# Altium PCB S6.PcbDoc (part 6 of 14)
Units mil, origin at the board's own origin, x right, y up, seen from the top; angles counter-clockwise.
Board outline 5250 x 2929.55 mil, 6 copper layers (Top Layer, Mid-Layer 2, Mid-Layer 4, Mid-Layer 3, Mid-Layer 1, Bottom Layer); 345 components, 365 nets, 2233 pads, 960 vias.
Unrouted connection lines stored in the file: 1.
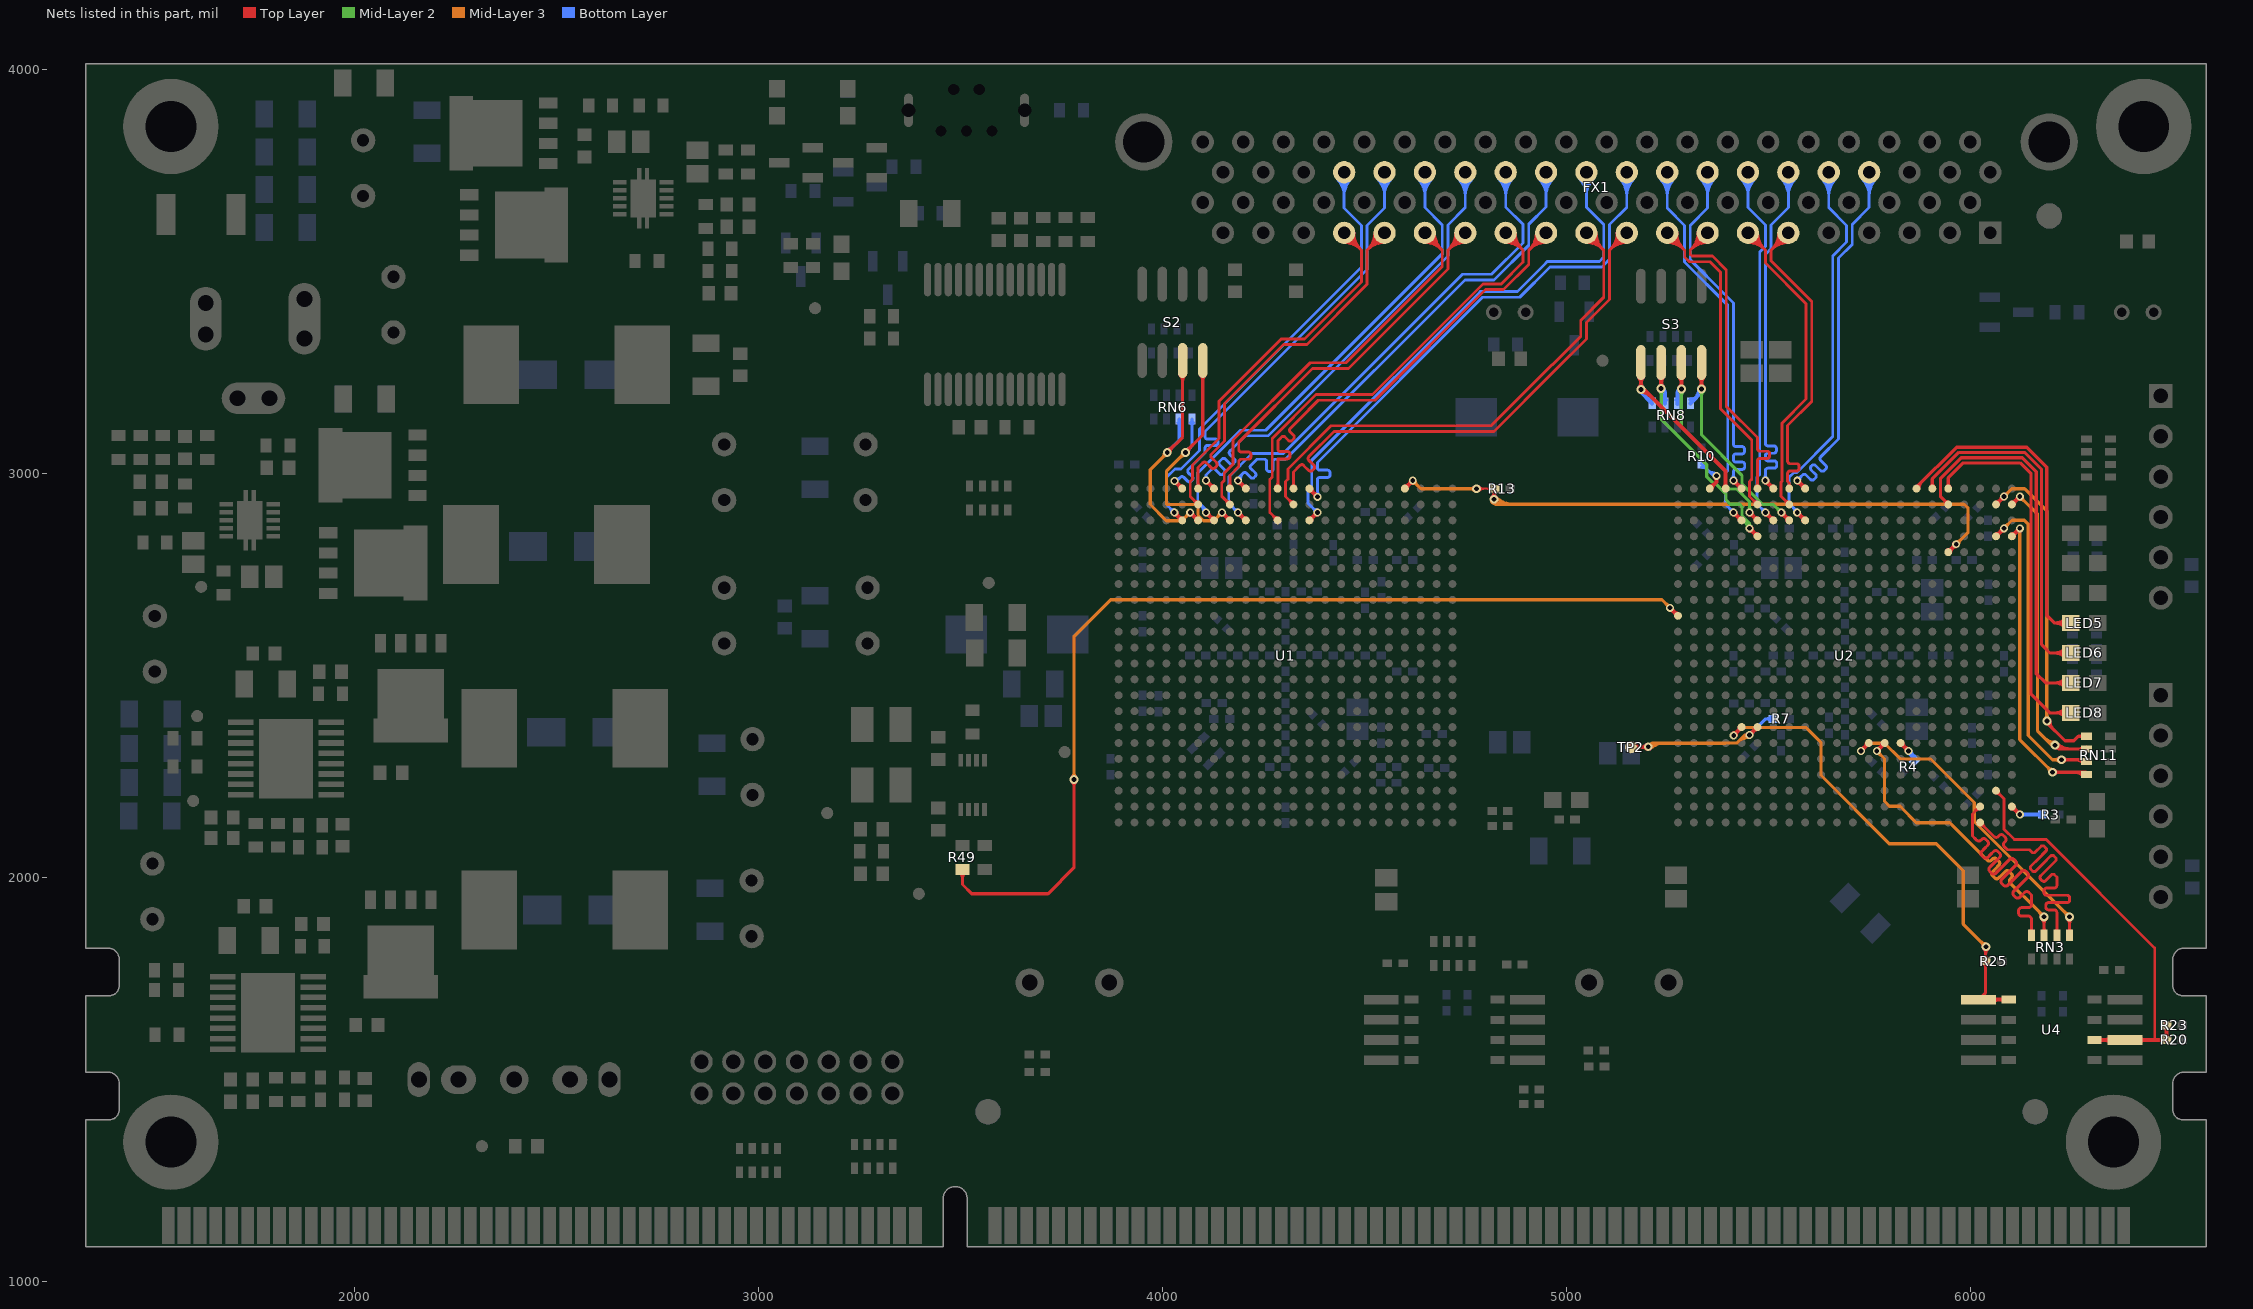
[diagram p10: the nets of this part, all layers, seen from the top]

## Via types
v1: diameter 19.68, hole 11.81, Top Layer to Bottom Layer, tented both sides, 469 vias
v2: diameter 32, hole 18, Top Layer to Bottom Layer, tented both sides, 257 vias
v3: diameter 22, hole 12, Top Layer to Bottom Layer, tented both sides, 185 vias
v4: diameter 25.59, hole 12.99, Top Layer to Bottom Layer, tented bottom, 16 vias
v5: diameter 50, hole 28, Top Layer to Bottom Layer, tented both sides, 15 vias
v6: diameter 23.62, hole 11.81, Top Layer to Bottom Layer, tented bottom, 10 vias
v7: diameter 20, hole 12, Top Layer to Bottom Layer, tented both sides, 5 vias
v8: diameter 21.65, hole 11.81, Top Layer to Bottom Layer, tented both sides, 2 vias
v9: diameter 39.37, hole 39.37, Top Layer to Bottom Layer, 1 vias

## Nets (pads, with @x,y where several pads share a name; then routed paths per layer and width w, separated by ;. In a path a pad name is that pad's centre, name@x,y a point inside that pad or via, vN(x,y) a via of type N, cw(c..) or ccw(c..) an arc to the next point about the centre after c; other vN are vias at no path point) (continued)
FPGA1_SW3: RN6.6 S2.3 U1.C6 | length 822.6
  Top Layer w8: v3(4012,3053) 4050,3091 S2.3@4050,3280.51 ; v3@4012,3060 ccw(c4012,3076.9) 4023.95,3064.95 ccw(c4035.9,3053) v3@4019,3053 ; S2.3@4044.48,3243.49 cw(c4031.14,3230.16) 4050,3230.16 cw(c4068.86,3230.16) S2.3@4055.52,3243.49
  Top Layer w10: v1@4068.78,2899.49 cw(c4068.78,2887.8) 4077.05,2896.07 cw(c4085.31,2904.33) v1@4073.62,2904.33 ; v1(4068.78,2904.33) U1.C6@4088.46,2884.65 ; U1.C6@4083.62,2884.65 ccw(c4071.93,2884.65) 4080.2,2892.91 ccw(c4088.46,2901.18) U1.C6@4088.46,2889.49
  Mid-Layer 3 w8: 3999.34,3039.34 ccw(c3985.69,3053) v3@4005,3053 ; 4001.76,3041.76 cw(c4012,3031.51) v3@4012,3046 ; v3(4012,3053) 4012,3052 3970,3010 3970,2924 4010,2884 4048.45,2884 v1(4068.78,2904.33) ; v1@4062.94,2904.33 cw(c4048.83,2904.33) 4058.8,2894.36 cw(c4068.78,2884.38) v1@4068.78,2898.49
  Bottom Layer w8: v3(4012,3053) 4041.75,3082.75 RN6.6@4041.75,3135.47 ; v3@4012,3060 ccw(c4012,3076.9) 4023.95,3064.95 ccw(c4035.9,3053) v3@4019,3053 ; RN6.6@4038.31,3127.12 cw(c4030.02,3118.82) 4041.75,3118.82 cw(c4053.48,3118.82) RN6.6@4045.18,3127.12
FPGA1_SW4: RN6.5 S2.4 U1.C8 | length 875.2
  Top Layer w8: v3(4057,3053) 4100,3096 S2.4@4100,3280.51 ; v3@4057,3060 ccw(c4057,3076.9) 4068.95,3064.95 ccw(c4080.9,3053) v3@4064,3053 ; S2.4@4094.48,3243.49 cw(c4081.14,3230.16) 4100,3230.16 cw(c4118.86,3230.16) S2.4@4105.52,3243.49
  Top Layer w10: v1@4147.52,2899.49 cw(c4147.52,2887.8) 4155.79,2896.07 cw(c4164.05,2904.33) v1@4152.36,2904.33 ; v1(4147.52,2904.33) U1.C8@4167.2,2884.65 ; U1.C8@4162.36,2884.65 ccw(c4150.67,2884.65) 4158.94,2892.91 ccw(c4167.2,2901.18) U1.C8@4167.2,2889.49
  Mid-Layer 3 w8: v3@4050,3053 cw(c4033.1,3053) 4045.05,3041.05 cw(c4057,3029.1) v3@4057,3046 ; v3(4057,3053) 4010,3006 4010,2924 4088,2924 4088,2897.83 4101.83,2884 4127.19,2884 v1(4147.52,2904.33) ; v1@4141.68,2904.33 cw(c4127.57,2904.33) 4137.55,2894.36 cw(c4147.52,2884.38) v1@4147.52,2898.49
  Bottom Layer w8: v3(4057,3053) 4073.24,3069.24 RN6.5@4073.24,3135.47 ; v3@4057,3060 ccw(c4057,3076.9) 4068.95,3064.95 ccw(c4080.9,3053) v3@4064,3053 ; RN6.5@4069.81,3127.12 cw(c4061.52,3118.82) 4073.24,3118.82 cw(c4084.97,3118.82) RN6.5@4076.68,3127.12
FPGA1_TDO: R13.2 U1.A19 U2.E18 | length 1923.9
  Top Layer w5: v3(4778,2963) R13.2@4819.31,2963 ; v3@4784.01,2956.99 cw(c4798.52,2942.48) 4798.52,2963 cw(c4798.52,2983.52) v3@4784.01,2969.01 ; R13.2@4815.15,2957.81 ccw(c4802.62,2945.27) 4802.62,2963 ccw(c4802.62,2980.73) R13.2@4815.15,2968.19
  Top Layer w8: v3@4816.05,2941.95 ccw(c4800.93,2957.07) R13.2@4822.31,2957.07 ; R13.2@4818.18,2958.87 cw(c4808.21,2948.89) 4822.31,2948.89 cw(c4836.42,2948.89) R13.2@4826.45,2958.87 ; v3@4822,2937 4822.31,2937.31 R13.2@4822.31,2963 ; 4822.31,2950.72 ccw(c4834.73,2950.72) v3@4825.95,2941.95
  Top Layer w10: U1.A19@4600.28,2963.39 v1(4619.96,2983.07) ; U1.A19@4600.28,2968.23 ccw(c4600.28,2979.92) 4608.54,2971.65 ccw(c4616.81,2963.39) U1.A19@4605.12,2963.39 ; v1@4615.12,2983.07 cw(c4603.43,2983.07) 4611.69,2974.81 cw(c4619.96,2966.54) v1@4619.96,2978.23 ; U2.E18@5945.91,2805.91 v1(5965.59,2825.59) ; U2.E18@5945.91,2810.75 ccw(c5945.91,2822.44) 5954.17,2814.17 ccw(c5962.44,2805.91) U2.E18@5950.75,2805.91 ; v1@5960.75,2825.59 cw(c5949.06,2825.59) 5957.32,2817.32 cw(c5965.59,2809.06) v1@5965.59,2820.75
  Mid-Layer 3 w8: v1@4619.96,2977.23 cw(c4619.96,2963.12) 4629.94,2973.1 cw(c4639.91,2983.07) v1@4625.8,2983.07 ; v1(4619.96,2983.07) 4640.03,2963 v3(4778,2963) ; v3@4773.05,2958.05 ccw(c4761.1,2946.1) 4761.1,2963 ccw(c4761.1,2979.9) v3@4773.05,2967.95 ; v3@4814.64,2930.64 ccw(c4828.58,2944.58) 4828.58,2924.86 ; v3@4820.29,2936.29 ccw(c4847.9,2963.9) 4847.9,2924.86 ; v3(4821,2937) 4821,2929 4825.14,2924.86 5985.14,2924.86 5995,2915 5995,2855 v1(5965.59,2825.59) ; v3@4825.95,2941.95 ccw(c4867.21,2983.21) 4867.21,2924.86 ; v1@5965.59,2831.43 ccw(c5965.59,2845.54) 5975.57,2835.57 ccw(c5985.54,2825.59) v1@5971.43,2825.59
FPGA2_B1_1: RN11.5 U2.B21 | length 936.1
  Top Layer w8: v3(6190,2388) 6190,2384 6235,2339 6257,2339 6268.24,2350.24 RN11.5@6288.47,2350.24 RN11.5@6289,2350.77 ; v3@6197,2388 ccw(c6223.56,2388) 6204.78,2369.22 ; RN11.5@6280.12,2346.81 ccw(c6271.82,2338.52) 6271.82,2350.24 ccw(c6271.82,2361.97) RN11.5@6280.12,2353.68
  Top Layer w10: U2.B21@6064.02,2924.02 v1(6083.7,2943.7) ; U2.B21@6064.02,2928.86 ccw(c6064.02,2940.55) 6072.28,2932.28 ccw(c6080.55,2924.02) U2.B21@6068.86,2924.02 ; v1@6078.86,2943.7 cw(c6067.17,2943.7) 6075.44,2935.44 cw(c6083.7,2927.17) v1@6083.7,2938.86
  Mid-Layer 3 w8: v1(6083.7,2943.7) 6103,2963 6135,2963 6190,2908 v3(6190,2388) ; v1@6083.7,2949.54 ccw(c6083.7,2963.65) 6093.68,2953.68 ccw(c6103.65,2943.7) v1@6089.54,2943.7 ; v3@6185.05,2392.95 ccw(c6173.1,2404.9) 6190,2404.9 ccw(c6206.9,2404.9) v3@6194.95,2392.95
FPGA2_B1_2: RN11.6 U2.B22 | length 964.1
  Top Layer w8: v3@6209.29,2327.29 ccw(c6229.92,2347.92) 6229.92,2318.75 ; v3(6210,2328) 6219.25,2318.75 ; v3@6211.37,2321.14 cw(c6213.08,2312.58) 6219.25,2318.75 ; v3@6214.95,2332.95 ccw(c6249.24,2367.24) 6249.24,2318.75 ; v3@6216.86,2326.63 ccw(c6225.42,2324.92) 6219.25,2318.75 ; RN11.6@6280.12,2315.31 ccw(c6271.82,2307.02) 6271.82,2318.75 ccw(c6271.82,2330.48) RN11.6@6280.12,2322.18 ; RN11.6@6288.22,2323 RN11.6@6288.47,2322.75 ; RN11.6@6288.47,2318.75 6219.25,2318.75
  Top Layer w10: U2.B22@6103.39,2924.02 v1(6123.07,2943.7) ; U2.B22@6103.39,2928.86 ccw(c6103.39,2940.55) 6111.65,2932.28 ccw(c6119.92,2924.02) U2.B22@6108.23,2924.02 ; v1@6118.23,2943.7 cw(c6106.54,2943.7) 6114.81,2935.44 cw(c6123.07,2927.17) v1@6123.07,2938.86
  Mid-Layer 3 w8: v1@6123.07,2937.86 cw(c6123.07,2923.75) 6133.05,2933.73 cw(c6143.02,2943.7) v1@6128.91,2943.7 ; v1(6123.07,2943.7) 6167,2899.77 6167,2363 6202,2328 v3(6210,2328) ; 6184.39,2345.61 ccw(c6210,2371.21) v3@6210,2335 ; 6198.05,2331.95 ccw(c6210,2343.9) v3@6210,2327
FPGA2_B1_3: RN11.7 U2.D21 | length 927.1
  Top Layer w8: v3(6226,2292) 6287.72,2292 RN11.7@6288.47,2291.25 ; v3@6230.95,2287.05 cw(c6242.9,2275.1) 6242.9,2292 cw(c6242.9,2308.9) v3@6230.95,2296.95 ; 6260.36,2292 cw(c6260.36,2264.06) RN11.7@6280.12,2283.82
  Top Layer w10: U2.D21@6064.02,2845.28 v1(6083.7,2864.96) ; U2.D21@6064.02,2850.12 ccw(c6064.02,2861.81) 6072.28,2853.54 ccw(c6080.55,2845.28) U2.D21@6068.86,2845.28 ; v1@6078.86,2864.96 cw(c6067.17,2864.96) 6075.44,2856.7 cw(c6083.7,2848.43) v1@6083.7,2860.12
  Mid-Layer 3 w8: v1(6083.7,2864.96) 6103.74,2885 6134,2885 6144,2875 6144,2352 6204,2292 v3(6226,2292) ; v1@6083.7,2870.8 ccw(c6083.7,2884.91) 6093.68,2874.94 ccw(c6103.65,2864.96) v1@6089.54,2864.96 ; v3@6221.05,2287.05 ccw(c6209.1,2275.1) 6209.1,2292 ccw(c6209.1,2308.9) v3@6221.05,2296.95
FPGA2_B1_4: RN11.8 U2.D22 | length 885.6
  Top Layer w8: v3(6204,2261) 6287.23,2261 RN11.8@6288.47,2259.76 ; v3@6208.95,2256.05 cw(c6220.9,2244.1) 6220.9,2261 cw(c6220.9,2277.9) v3@6208.95,2265.95 ; 6259.16,2261 cw(c6259.16,2231.37) RN11.8@6280.12,2252.32
  Top Layer w10: U2.D22@6103.39,2845.28 v1(6123.07,2864.96) ; U2.D22@6103.39,2850.12 ccw(c6103.39,2861.81) 6111.65,2853.54 ccw(c6119.92,2845.28) U2.D22@6108.23,2845.28 ; v1@6118.23,2864.96 cw(c6106.54,2864.96) 6114.81,2856.7 cw(c6123.07,2848.43) v1@6123.07,2860.12
  Mid-Layer 3 w8: v1@6118.94,2860.83 cw(c6108.97,2850.86) 6123.07,2850.86 cw(c6137.18,2850.86) v1@6127.2,2860.83 ; v1(6123.07,2864.96) 6123.07,2341.93 v3(6204,2261) ; v3@6197,2261 ccw(c6180.1,2261) 6192.05,2272.95 ccw(c6204,2284.9) v3@6204,2268
FPGA2_CLK: R49.1 U2.J1 | length 2621.3
  Top Layer w8: R49.1@3498.08,2013.56 cw(c3481.39,1996.86) 3505,1996.86 cw(c3528.61,1996.86) R49.1@3511.92,2013.56 ; R49.1@3505,2020.47 3505,1983 3528,1960 3717,1960 3781,2024 v3(3781,2243) ; v3@3776.05,2238.05 cw(c3764.1,2226.1) 3781,2226.1 cw(c3797.9,2226.1) v3@3785.95,2238.05
  Top Layer w10: v1@5256.93,2663.27 cw(c5256.93,2651.58) 5265.19,2659.84 cw(c5273.46,2668.11) v1@5261.77,2668.11 ; v1(5256.93,2668.11) U2.J1@5276.61,2648.43 ; U2.J1@5271.77,2648.43 ccw(c5260.08,2648.43) 5268.35,2656.69 ccw(c5276.61,2664.96) U2.J1@5276.61,2653.27
  Mid-Layer 3 w8: v3@3776.05,2247.95 ccw(c3764.1,2259.9) 3781,2259.9 ccw(c3797.9,2259.9) v3@3785.95,2247.95 ; v3(3781,2243) 3781,2597 3872,2688 5237.04,2688 v1(5256.93,2668.11) ; v1@5251.09,2668.11 ccw(c5236.98,2668.11) 5246.95,2678.09 ccw(c5256.93,2688.06) v1@5256.93,2673.95
FPGA2_CS: R25.2 U2.T5 U4.1 | length 1348.6
  Top Layer w8: U4.1@6020.9,1698 6038.31,1715.42 R25.2@6038.31,1793 6038.31,1828.31 v3(6039,1829) ; v3@6034.05,1824.05 cw(c6023.75,1813.75) 6038.31,1813.75 ; R25.2@6034.18,1788.87 cw(c6024.21,1778.89) 6038.31,1778.89 cw(c6052.42,1778.89) R25.2@6042.45,1788.87 ; R25.2@6034.18,1797.13 ccw(c6024.21,1807.1) 6038.31,1807.1 ccw(c6052.42,1807.1) R25.2@6042.45,1797.13 ; 6038.31,1810.45 cw(c6057.55,1810.45) v3@6043.95,1824.05
  Top Layer w10: v1(5414.46,2352.02) 5414.46,2352.46 U2.T5@5434,2372 ; v1@5414.46,2356.86 ccw(c5414.46,2367.47) 5421.96,2359.97 ; v1@5419.31,2352.02 cw(c5432.08,2352.02) 5423.05,2361.05 ; 5425.3,2363.3 ccw(c5415.77,2372.83) U2.T5@5429.25,2372.83 ; 5427.09,2365.09 cw(c5434.09,2358.09) U2.T5@5434.09,2367.99 ; U4.1@6057.21,1693.18 cw(c6068.84,1681.56) 6068.84,1698 cw(c6068.84,1714.44) U4.1@6057.21,1702.82 ; U4.1@6084.57,1694.58 ccw(c6076.31,1686.31) 6076.31,1698 ccw(c6076.31,1709.69) U4.1@6084.57,1701.42
  Mid-Layer 3 w8: v1@5414.46,2357.86 ccw(c5414.46,2370.88) 5423.67,2361.67 ; v1@5415,2353 5434,2372 5593,2372 5631,2334 5631,2253 5800,2084 5916,2084 5983,2017 5983,1885 v3(6039,1829) ; v1@5420.31,2352.02 cw(c5435.5,2352.02) 5424.76,2362.76 ; v3@6032,1829 ccw(c6015.1,1829) 6027.05,1840.95 ccw(c6039,1852.9) v3@6039,1836
FPGA2_DQ1: RN3.8 U2.AA20 | length 848.4
  Top Layer w7: 6012.69,2164.69 cw(c6024.65,2152.73) U2.AA20@6024.65,2169.64 ; 6014.29,2166.29 ccw(c6004.59,2175.98) U2.AA20@6018.3,2175.98 ; U2.AA20@6024.65,2175.98 6023.98,2175.98 6006,2158 6006,2103 6014,2095 6016.23,2092.77 ccw(c6021.42,2097.97) 6026.62,2092.77 6028.54,2094.69 cw(c6033.74,2089.49) 6038.93,2094.69 6043.39,2090.24 cw(c6038.19,2085.04) 6043.39,2079.84 6036.27,2072.73 6028.66,2065.11 ccw(c6033.85,2059.91) 6028.66,2054.71 6033.11,2050.26 ccw(c6038.31,2055.46) 6043.51,2050.26 6051.12,2057.88 6058.24,2064.99 cw(c6063.44,2059.8) 6068.63,2064.99 6073.09,2060.54 cw(c6067.89,2055.34) 6073.09,2050.14 6065.97,2043.03 6048.74,2025.8 ccw(c6053.94,2020.6) 6048.74,2015.41 6053.2,2010.95 ccw(c6058.4,2016.15) 6063.59,2010.95 6080.82,2028.18 6098.05,2045.41 cw(c6103.25,2040.21) 6108.44,2045.41 6112.9,2040.95 cw(c6107.7,2035.75) 6112.9,2030.56 6095.67,2013.33 6078.44,1996.1 ccw(c6083.64,1990.9) 6078.44,1985.71 6082.9,1981.25 ccw(c6088.1,1986.45) 6093.29,1981.25 6110.52,1998.48 6127.75,2015.71 cw(c6132.94,2010.51) 6138.14,2015.71 6142.6,2011.25 cw(c6137.4,2006.06) 6142.6,2000.86 6125.37,1983.63 6108.14,1966.4 ccw(c6113.34,1961.21) 6108.14,1956.01 6112.6,1951.55 ccw(c6117.79,1956.75) 6122.99,1951.55 6135.02,1963.58 cw(c6140.22,1958.39) 6145.42,1963.58 6151.76,1957.24 6151.76,1946.74 6151.76,1933.09 cw(c6144.41,1933.09) 6144.41,1925.74 6127.39,1925.74 ccw(c6127.39,1918.39) 6120.04,1918.39 6120.04,1912.09 ccw(c6127.39,1912.09) 6127.39,1904.74 6144.41,1904.74 cw(c6144.41,1897.39) 6151.76,1897.39 6151.76,1867 RN3.8@6151.76,1857.53 ; RN3.8@6147.97,1866.24 ccw(c6138.82,1875.38) 6151.76,1875.38 ccw(c6164.69,1875.38) RN3.8@6155.54,1866.24
FPGA2_DQ2: RN3.7 U2.U14 | length 934.4
  Top Layer w8: v3@6178.05,1898.05 cw(c6165.49,1885.49) 6183.25,1885.49 ; RN3.7@6179.82,1865.88 ccw(c6171.52,1874.18) 6183.25,1874.18 ccw(c6194.98,1874.18) RN3.7@6186.69,1865.88 ; v3(6183,1903) 6183.25,1902.75 RN3.7@6183.25,1857.53 ; 6183.25,1886.71 cw(c6199.29,1886.71) v3@6187.95,1898.05
  Top Layer w10: v1(5768.89,2313.48) 5768.89,2313.93 U2.U14@5788.43,2333.46 ; v1@5768.89,2318.32 ccw(c5768.89,2328.93) 5776.39,2321.43 ; v1@5773.73,2313.48 cw(c5786.51,2313.48) 5777.47,2322.51 ; U2.U14@5783.58,2333.46 cw(c5771.89,2333.46) 5780.16,2325.2 cw(c5788.43,2316.93) U2.U14@5788.43,2328.62
  Mid-Layer 3 w8: v1@5768.89,2307.64 cw(c5768.89,2293.53) 5778.86,2303.51 cw(c5788.84,2313.48) v1@5774.73,2313.48 ; v1(5768.89,2313.48) 5788,2294.37 5788,2189.13 5800.31,2176.83 5827.17,2176.83 5828,2176 5828,2175 5867,2136 5950,2136 6040,2046 6042.33,2043.67 ccw(c6047.78,2049.11) 6053.22,2043.67 6055.35,2045.79 cw(c6060.79,2040.35) 6066.24,2045.79 6070.9,2041.12 cw(c6065.46,2035.68) 6070.9,2030.23 6063.33,2022.67 6055.77,2015.1 ccw(c6061.21,2009.65) 6055.77,2004.21 6060.43,1999.54 ccw(c6065.88,2004.99) 6071.32,1999.54 6078.89,2007.11 6086.46,2014.68 cw(c6091.9,2009.23) 6097.35,2014.68 6102.02,2010.01 cw(c6096.57,2004.57) 6102.02,1999.12 6099.89,1997 ccw(c6105.34,1991.55) 6099.89,1986.11 6164.5,1921.5 v3(6183,1903) ; v3@6176,1903 ccw(c6159.1,1903) 6171.05,1914.95 ccw(c6183,1926.9) v3@6183,1910
FPGA2_DQ3: RN3.5 U2.U13 | length 934.3
  Top Layer w8: v3@6241.05,1898.05 cw(c6228.51,1885.51) 6246.24,1885.51 ; RN3.5@6242.81,1865.88 ccw(c6234.52,1874.18) 6246.24,1874.18 ccw(c6257.97,1874.18) RN3.5@6249.68,1865.88 ; v3(6246,1903) 6246.24,1902.76 RN3.5@6246.24,1857.53 ; 6246.24,1886.69 cw(c6262.31,1886.69) v3@6250.95,1898.05
  Top Layer w10: v1(5729.52,2313.48) 5729.52,2313.93 U2.U13@5749.06,2333.46 ; v1@5729.52,2318.32 ccw(c5729.52,2328.93) 5737.02,2321.43 ; v1@5734.36,2313.48 cw(c5747.14,2313.48) 5738.1,2322.51 ; U2.U13@5744.21,2333.46 cw(c5732.52,2333.46) 5740.79,2325.2 cw(c5749.06,2316.93) U2.U13@5749.06,2328.62
  Mid-Layer 3 w8: v1(5729.52,2313.48) 5749,2333 5788,2333 5827,2294 5902,2294 6010,2186 6010,2139 v3(6246,1903) ; v1@5729.52,2319.32 ccw(c5729.52,2333.33) 5739.43,2323.43 ; v1@5735.36,2313.48 cw(c5749.56,2313.48) 5739.52,2323.52 ; v3@6239,1903 ccw(c6222.1,1903) 6234.05,1914.95 ccw(c6246,1926.9) v3@6246,1910
FPGA2_HSWAP: R10.2 U2.A3 | length 188.4
  Top Layer w10: U2.A3@5355.35,2963.39 5372,2980.03 v1(5372,2995) ; U2.A3@5355.35,2968.23 ccw(c5355.35,2979.92) 5363.62,2971.65 ccw(c5371.89,2963.39) U2.A3@5360.2,2963.39 ; v1@5368.58,2991.58 cw(c5360.31,2983.31) 5372,2983.31 cw(c5383.69,2983.31) v1@5375.42,2991.58
  Bottom Layer w7: R10.2@5335,3016 cw(c5335,2995.94) 5349.19,3010.13 ; R10.2@5335,3024.31 5364.31,2995 v1(5372,2995) ; R10.2@5341.34,3022.35 ccw(c5351.9,3022.35) R10.2@5344.44,3014.88 ; 5348.05,3011.26 ccw(c5372,3035.21) v1@5372,3001.34 ; 5360,2999.31 ccw(c5372,3011.31) v1@5372,2994.34
FPGA2_INIT: R7.2 TP2.1 U2.T6 | length 689.2
  Top Layer w8: TP2.1@5160,2323 5198,2323 v3@5201,2326 ; TP2.1@5167.78,2315.22 cw(c5186.56,2296.44) 5186.56,2323 cw(c5186.56,2349.56) TP2.1@5167.78,2330.78 ; 5183.69,2323 ccw(c5183.69,2343.31) v3@5198.05,2328.95 ; 5188.51,2323 cw(c5188.51,2309.51) v3@5198.05,2319.05 ; v3(5203,2324) v3@5201,2326 ; v3@5203,2328 v3@5201,2326
  Top Layer w10: v1(5453.78,2353.15) U2.T6@5473.46,2372.83 ; v1@5453.78,2357.99 ccw(c5453.78,2369.68) 5462.05,2361.42 ccw(c5470.31,2353.15) v1@5458.62,2353.15 ; U2.T6@5468.62,2372.83 cw(c5456.93,2372.83) 5465.2,2364.57 cw(c5473.46,2356.3) U2.T6@5473.46,2367.99
  Mid-Layer 3 w8: v3@5202.29,2324.71 cw(c5222.31,2304.69) 5222.31,2333 ; v3(5203,2324) 5212,2333 5394,2333 5394.17,2333.17 5422.27,2333.17 5442.24,2353.15 ; v3@5207.95,2319.05 cw(c5241.63,2285.37) 5241.63,2333 ; 5424.12,2335.02 cw(c5453.78,2305.36) v1@5453.78,2347.31 ; 5437.77,2348.68 cw(c5453.78,2332.67) v1@5453.78,2355.31 ; v1@5449.07,2349.69 ccw(c5442.25,2344.69) 5442.25,2353.15 ; v1@5449.07,2356.6 cw(c5442.25,2361.61) 5442.25,2353.15 ; v1(5453.78,2353.15) 5442.24,2353.15
  Bottom Layer w8: v1(5453.78,2353.15) 5493.63,2393 R7.2@5512.31,2393 ; v1@5453.78,2358.99 ccw(c5453.78,2373.1) 5463.75,2363.12 ccw(c5473.73,2353.15) v1@5459.62,2353.15 ; R7.2@5506.22,2388.87 ccw(c5496.24,2378.9) 5496.24,2393 ccw(c5496.24,2407.11) R7.2@5506.22,2397.13
FPGA2_LED1: LED5.1 U2.A16 | length 897.5
  Top Layer w8: U2.A16@5867.17,2963.39 5867.17,2966.32 5966.85,3066 6140,3066 6190,3016 6190,2650 6209.57,2630.43 LED5.1@6249.54,2630.43 ; U2.A16@5873.01,2963.39 cw(c5894.2,2963.39) 5879.21,2978.37 ; LED5.1@6236.48,2619.34 ccw(c6209.7,2592.56) 6209.7,2630.43 ccw(c6209.7,2668.3) LED5.1@6236.48,2641.52
FPGA2_LED2: LED6.1 U2.A17 | length 935.5
  Top Layer w8: U2.A17@5902.4,2967.52 ccw(c5892.43,2977.49) 5906.54,2977.49 ccw(c5920.64,2977.49) U2.A17@5910.67,2967.52 ; U2.A17@5906.54,2963.39 5906.54,2987.3 5972.23,3053 6134.62,3053 6177,3010.62 6177,2577 6197.71,2556.29 LED6.1@6249.54,2556.29 ; LED6.1@6236.48,2545.19 ccw(c6209.7,2518.42) 6209.7,2556.29 ccw(c6209.7,2594.15) LED6.1@6236.48,2567.38
FPGA2_LED3: LED7.1 U2.B18 | length 1022.4
  Top Layer w8: U2.B18@5940.06,2924.02 ccw(c5925.96,2924.02) 5935.93,2933.99 ccw(c5945.91,2943.96) U2.B18@5945.91,2929.86 ; U2.B18@5945.91,2924.02 5927,2942.92 5927,2989.38 5977.62,3040 6129.23,3040 6164,3005.23 6164,2505 6186.86,2482.14 LED7.1@6249.54,2482.14 ; LED7.1@6236.48,2471.05 ccw(c6209.7,2444.28) 6209.7,2482.14 ccw(c6209.7,2520.01) LED7.1@6236.48,2493.23
FPGA2_LED4: LED8.1 U2.A18 | length 1003.3
  Top Layer w8: U2.A18@5941.77,2967.52 ccw(c5931.8,2977.49) 5945.91,2977.49 ccw(c5960.01,2977.49) U2.A18@5950.04,2967.52 ; U2.A18@5945.91,2963.39 5945.91,2989.91 5983,3027 6123.85,3027 6151,2999.85 6151,2454 6197,2408 LED8.1@6249.54,2408 ; LED8.1@6236.48,2396.91 ccw(c6209.7,2370.13) 6209.7,2408 ccw(c6209.7,2445.87) LED8.1@6236.48,2419.09
FPGA2_M0: R3.2 U2.AA22 | length 158.7
  Top Layer w10: U2.AA22@6103.39,2171.14 cw(c6103.39,2159.45) 6111.65,2167.72 cw(c6119.92,2175.98) U2.AA22@6108.23,2175.98 ; U2.AA22@6103.39,2175.98 v1(6123.07,2156.3) ; v1@6118.23,2156.3 ccw(c6106.54,2156.3) 6114.81,2164.56 ccw(c6123.07,2172.83) v1@6123.07,2161.14
  Bottom Layer w10: v1(6123.07,2156.3) 6123.37,2156 R3.2@6180.31,2156 ; v1@6126.5,2152.87 cw(c6134.04,2145.33) 6134.04,2156 ; v1@6126.5,2159.72 ccw(c6135.48,2168.71) 6135.48,2156 ; R3.2@6174.92,2152.58 ccw(c6166.66,2144.31) 6166.66,2156 ccw(c6166.66,2167.69) R3.2@6174.92,2159.42
FPGA2_M1: R4.2 U2.U15 | length 148.7
  Top Layer w10: U2.U15@5827.8,2328.62 cw(c5827.8,2316.93) 5836.06,2325.2 cw(c5844.33,2333.46) U2.U15@5832.64,2333.46 ; U2.U15@5827.8,2333.46 v1(5847.48,2313.78) ; v1@5842.64,2313.78 ccw(c5830.95,2313.78) 5839.21,2322.05 ccw(c5847.48,2330.31) v1@5847.48,2318.62
  Bottom Layer w10: v1@5846.23,2309.1 cw(c5842.5,2295.2) 5854.97,2302.39 ; v1@5847.48,2308.94 cw(c5847.48,2297.25) 5855.75,2305.51 cw(c5864.01,2313.78) v1@5852.32,2313.78 ; v1(5847.48,2313.78) 5861.92,2299.34 R4.2@5861.92,2288.92 ; v1@5849.64,2311.62 cw(c5828.34,2290.31) R4.2@5858.47,2290.31
FPGA2_SCK: R20.2 R23.1 U2.Y21 U4.6 | length 1114.8
  Top Layer w7: U2.Y21@6064.02,2209.01 cw(c6064.02,2193.7) 6074.84,2204.53 cw(c6085.67,2215.35) U2.Y21@6070.36,2215.35 ; U2.Y21@6064.02,2215.35 6084,2195.37 6084,2120 6109.5,2094.5 6188.5,2094.5 6457,1826 6457,1598
  Top Layer w10: U4.6@6319.43,1594.58 cw(c6327.69,1586.31) 6327.69,1598 cw(c6327.69,1609.69) U4.6@6319.43,1601.42 ; U4.6@6346.79,1593.18 ccw(c6335.16,1581.56) 6335.16,1598 ccw(c6335.16,1614.44) U4.6@6346.79,1602.82 ; U4.6@6383.1,1598 6457,1598 R20.2@6486.31,1598 R23.1@6486.31,1634 ; U4.6@6419.41,1593.18 cw(c6431.04,1581.56) 6431.04,1598 cw(c6431.04,1614.44) U4.6@6419.41,1602.82 ; R20.2@6480.92,1594.58 ccw(c6472.66,1586.31) 6472.66,1598 ccw(c6472.66,1609.69) R20.2@6480.92,1601.42 ; R20.2@6482.89,1601.42 ccw(c6474.62,1609.69) 6486.32,1609.69 ccw(c6498.01,1609.69) R20.2@6489.74,1601.42 ; R23.1@6482.89,1630.58 cw(c6474.62,1622.31) 6486.32,1622.31 cw(c6498.01,1622.31) R23.1@6489.74,1630.58
FPGA2_SDI: RN3.6 U2.AB20 | length 848.4
  Top Layer w7: U2.AB20@6024.65,2130.27 cw(c6024.65,2114.96) 6035.47,2125.79 cw(c6046.3,2136.61) U2.AB20@6030.99,2136.61 ; U2.AB20@6024.65,2136.61 6059.36,2101.9 ccw(c6064.55,2107.1) 6069.75,2101.9 6072.24,2104.39 cw(c6077.44,2099.2) 6082.64,2104.39 6087.09,2099.94 cw(c6081.9,2094.74) 6087.09,2089.54 6084.6,2087.05 ccw(c6089.8,2081.86) 6084.6,2076.66 6092.26,2069 6147,2069 6152.8,2063.2 ccw(c6157.01,2067.4) 6161.22,2063.2 6175.43,2077.41 cw(c6179.64,2073.2) 6183.85,2077.41 6187.45,2073.8 cw(c6183.24,2069.6) 6187.45,2065.39 6169.03,2046.97 6150.65,2028.58 ccw(c6154.85,2024.38) 6150.65,2020.17 6154.25,2016.56 ccw(c6158.46,2020.77) 6162.67,2016.56 6181.05,2034.95 6199.47,2053.37 cw(c6203.68,2049.16) 6207.89,2053.37 6211.49,2049.76 cw(c6207.29,2045.55) 6211.49,2041.35 6193.07,2022.93 6174.65,2004.51 ccw(c6178.86,2000.3) 6174.65,1996.09 6178.26,1992.49 ccw(c6182.47,1996.69) 6186.67,1992.49 6200.89,2006.7 cw(c6205.09,2002.49) 6209.3,2006.7 6214.75,2001.25 6214.75,1992.25 6214.75,1980.55 cw(c6208.45,1980.55) 6208.45,1974.25 6189.3,1974.25 ccw(c6189.3,1967.95) 6183,1967.95 6183,1962.55 ccw(c6189.3,1962.55) 6189.3,1956.25 6214.75,1956.25 6240.2,1956.25 cw(c6240.2,1949.95) 6246.5,1949.95 6246.5,1944.55 cw(c6240.2,1944.55) 6240.2,1938.25 6214.75,1938.25 6193.78,1938.25 ccw(c6193.78,1931.95) 6187.48,1931.95 6187.48,1926.55 ccw(c6193.78,1926.55) 6193.78,1920.25 6208.45,1920.25 cw(c6208.45,1913.95) 6214.75,1913.95 RN3.6@6214.75,1857.53 ; RN3.6@6210.96,1866.24 ccw(c6201.81,1875.38) 6214.75,1875.38 ccw(c6227.68,1875.38) RN3.6@6218.54,1866.24